# Allegro board 1156197-TDI_VU3P_QSFP28_CXP_V001_1023A-166-20241121_1644_PCB.brd (continued)
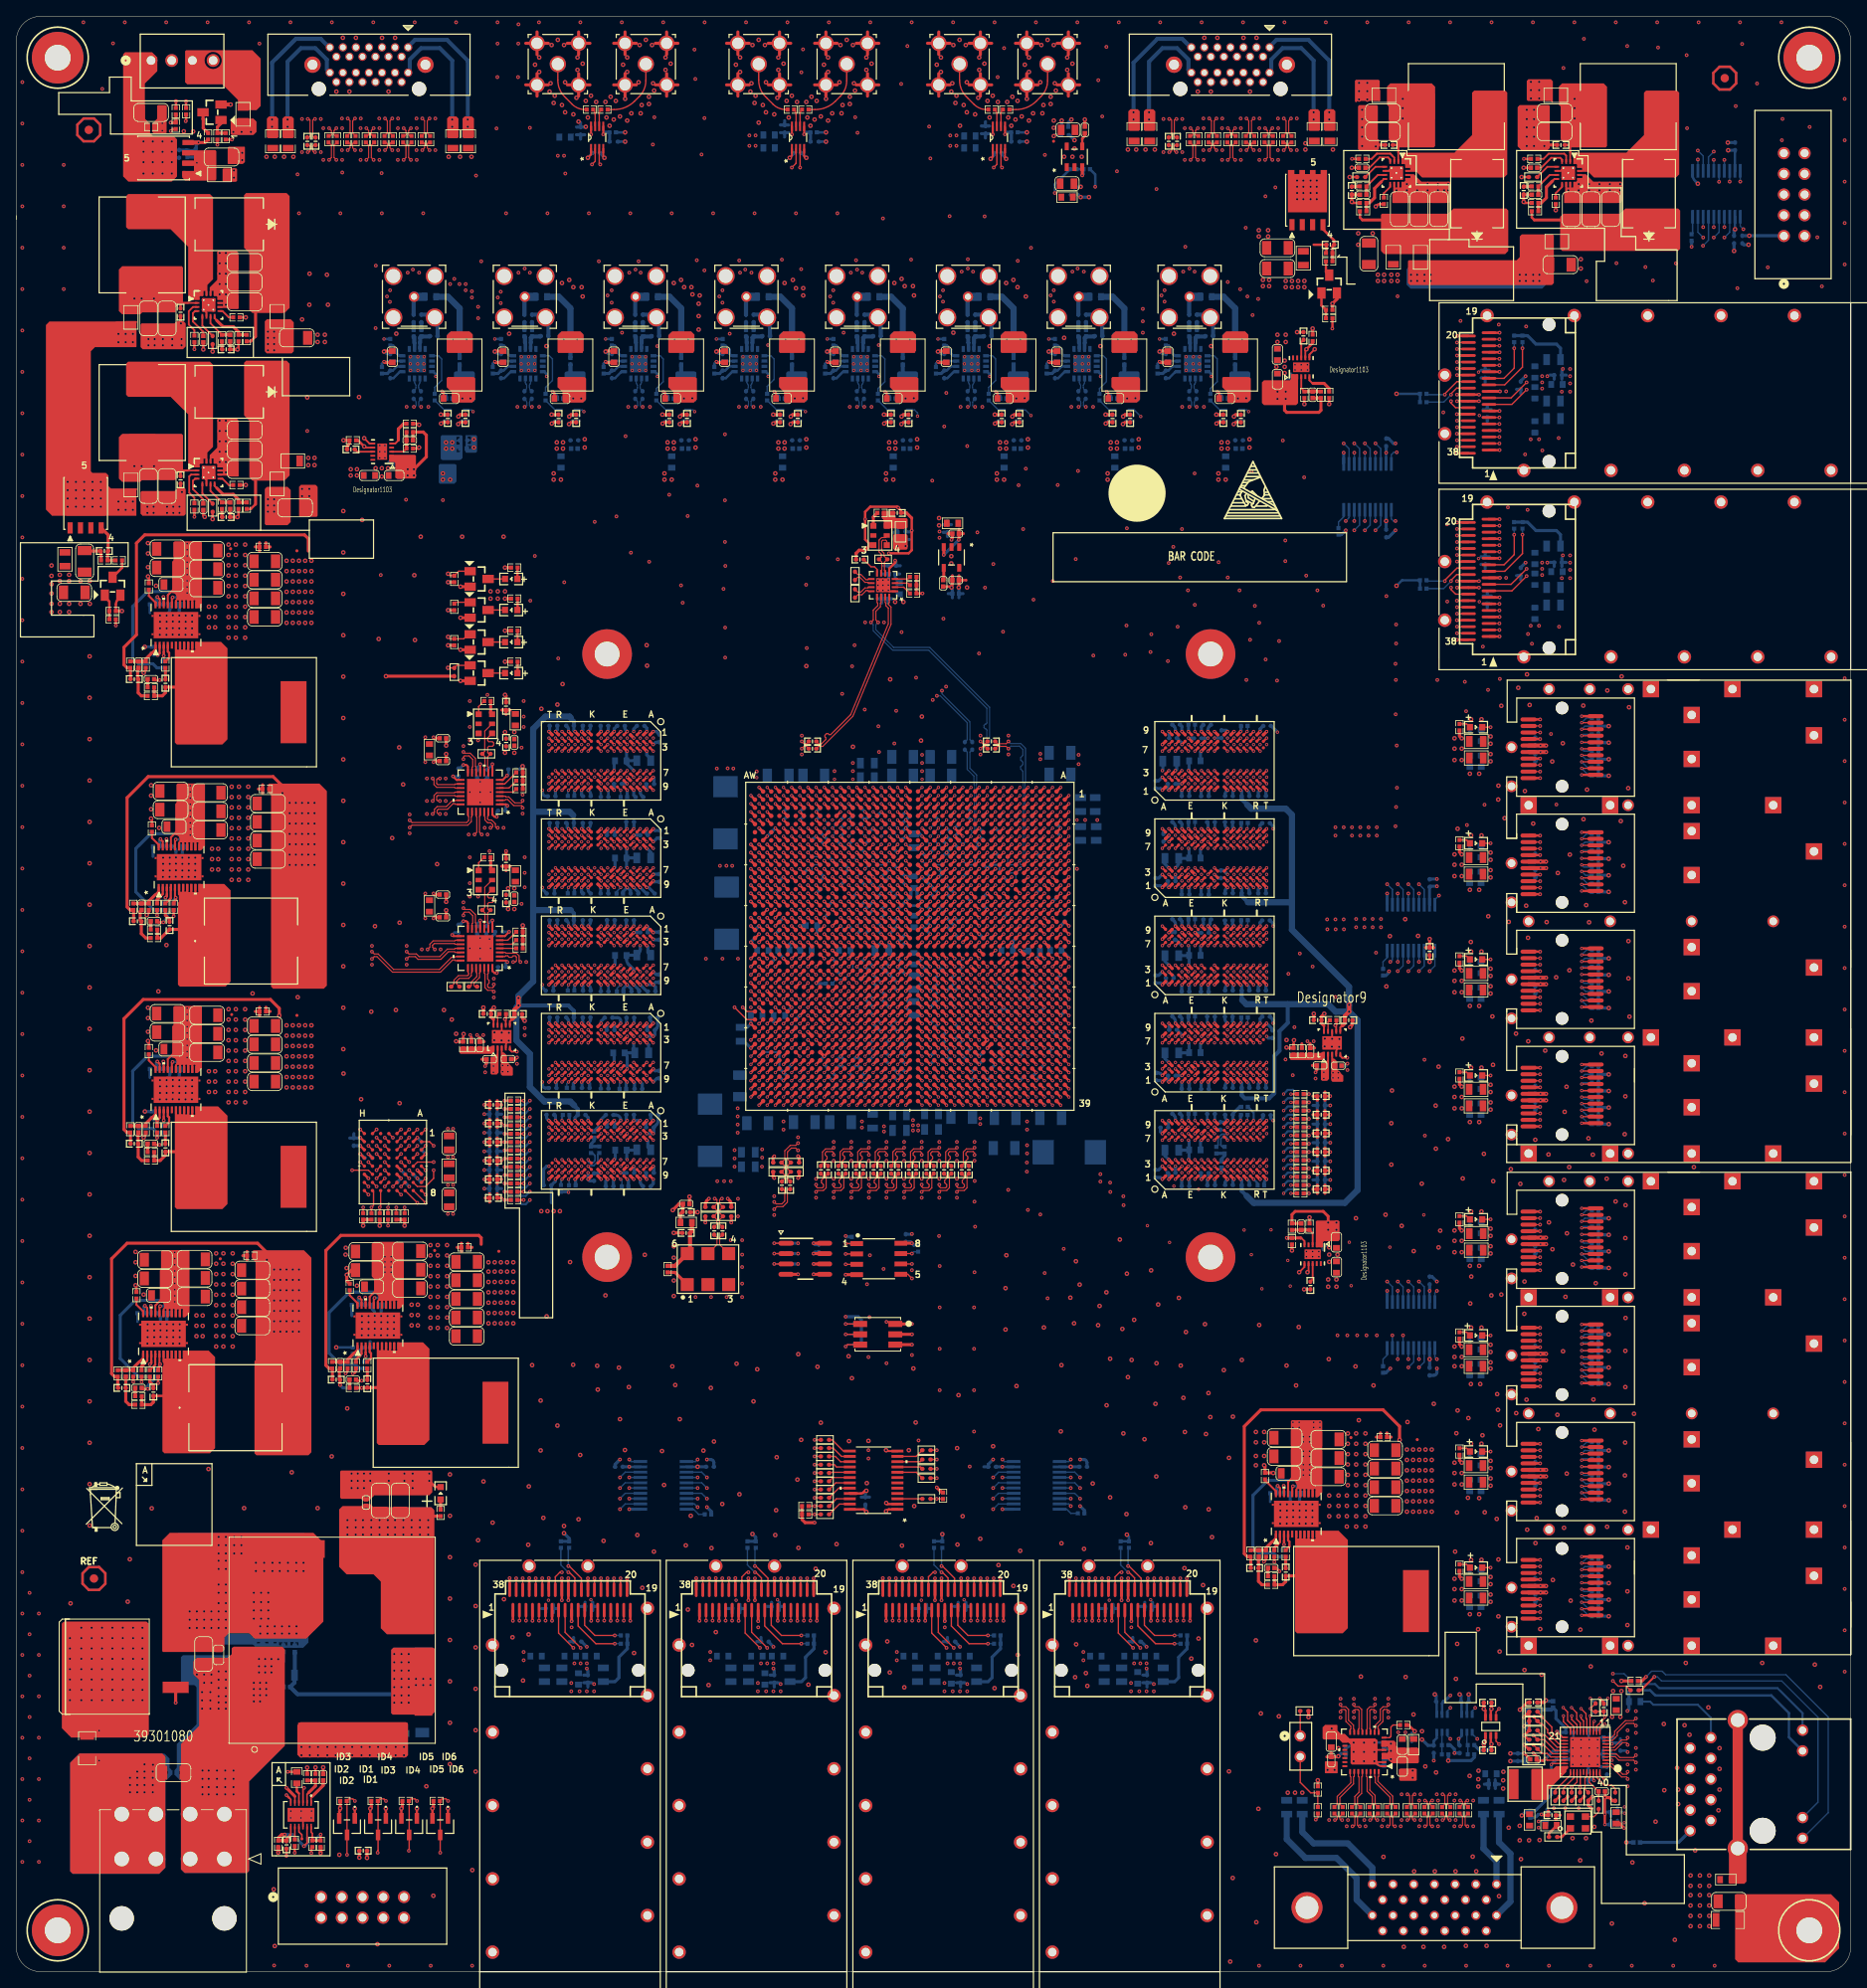
[diagram p0: board, top side]
## Nets (continued)
GND: C1.2(CAP1) C4.2 C5.2 C6.2(CAP1) C7.2(CAP1) C8.2 C9.2 C10.2(CAP1) C11.2(CAP1) C12.2(CAP1) C13.2(CAP1) C14.2(CAP1) C15.2(CAP1) C16.2(CAP1) C17.2(CAP1) C18.2(CAP1) C19.2 C20.2 C21.2(CAP1) C22.2(CAP1) C23.2(CAP1) C24.2 C25.2(CAP1) C26.2(CAP1) C27.2(CAP1) C28.2 C29.2(CAP1) C30.2(CAP1) C31.2(CAP1) C32.2 C33.2 C34.2(CAP1) C35.2(CAP1) C40.2(CAP1) C41.2(CAP1) C42.2 C43.2(CAP1) C44.2 C45.2 C46.2(CAP1) C47.2(CAP1) C48.2(CAP1) C49.2 C50.2 C51.2(CAP1) C52.2(CAP1) C53.2(CAP1) C56.2 C57.2 C58.2(CAP1) C59.2(CAP1) C60.2(CAP1) C61.2 C62.2(CAP1) C63.2(CAP1) C64.2 C65.2 C66.2(CAP1) C67.2 C68.2(CAP1) C69.2(CAP1) C70.2(CAP1) C73.2 C74.2 C75.2(CAP1) C76.2(CAP1) C77.2(CAP1) C106.2 C107.2 C108.2 C109.2 C110.2(CAP1) C111.2(CAP1) C112.2(CAP1) C113.2(CAP1) C114.2(CAP1) C115.2(CAP1) C116.2(CAP1) C117.2(CAP1) C118.2(CAP1) C119.2(CAP1) C120.2(CAP1) C121.2(CAP1) C122.2 C123.2(CAP1) C124.2(CAP1) C125.2(CAP1) C126.2(CAP1) C127.2(CAP1) C128.2(CAP1) C129.2(CAP1) C130.2(CAP1) C131.2(CAP1) C132.2(CAP1) C133.2(CAP1) C134.2(CAP1) C135.2(CAP1) C136.2(CAP1) C137.2 C138.2 C139.2(CAP1) C140.2(CAP1) C141.2(CAP1) C142.2(CAP1) C143.2(CAP1) C144.2(CAP1) C145.2(CAP1) C146.2(CAP1) C147.2(CAP1) C148.2(CAP1) C149.2(CAP1) C150.2(CAP1) C151.2(CAP1) C152.2(CAP1) C153.2(CAP1) C154.2(CAP1) C155.2(CAP1) C156.2(CAP1) C157.2(CAP1) C158.2(CAP1) C159.2(CAP1) C160.2(CAP1) C161.2(CAP1) C162.2(CAP1) C163.2(CAP1) C164.2(CAP1) C165.2(CAP1) C166.2(CAP1) C167.2(CAP1) C168.2(CAP1) C169.1(CAP2) C170.1(CAP2) C171.1(CAP2) C172.1(CAP2) C173.1(CAP2) C174.1(CAP2) C175.1(CAP2) C176.1(CAP2) C177.1(CAP2) C178.1(CAP2) C179.2(CAP1) C180.2(CAP1) C181.2(CAP1) C182.2(CAP1) C183.2(CAP1) C184.2(CAP1) C185.2(CAP1) C186.2(CAP1) C187.2(CAP1) C188.2(CAP1) C189.2(CAP1) C190.2(CAP1) C191.2(CAP1) C192.2(CAP1) C193.2(CAP1) C194.2(CAP1) C195.2(CAP1) C196.2(CAP1) C197.2(CAP1) C198.2(CAP1) C199.2(CAP1) C200.2(CAP1) C201.2(CAP1) C202.2(CAP1) C203.2(CAP1) C204.2(CAP1) C205.2(CAP1) C206.2(CAP1) C207.2(CAP1) C208.2(CAP1) C209.1(CAP2) C210.1(CAP2) C211.1(CAP2) C212.1(CAP2) C213.1(CAP2) C214.1(CAP2) C215.1(CAP2) C216.1(CAP2) C217.1(CAP2) C218.1(CAP2) C219.2 C220.2 C221.2(CAP1) C222.2(CAP1) C223.2(CAP1) C224.2(CAP1) C225.2(CAP1) C226.2(CAP1) C227.2(CAP1) C228.2(CAP1) C229.2 C230.2 C231.2(CAP1) C232.2(CAP1) C233.2(CAP1) C234.2(CAP1) C235.2 C236.2(CAP1) C237.2(CAP1) C238.2 C239.2 C240.2(CAP1) C241.2(CAP1) C242.2(CAP1) C243.2(CAP1) C244.2(CAP1) C245.2(CAP1) C246.2 C247.2 C248.2 C249.2 C250.2(CAP1) C251.2 C252.2 C253.2(CAP1) C254.2(CAP1) C255.2(CAP1) C256.2(CAP1) C257.2(CAP1) C258.2(CAP1) C259.2 C260.2 C261.2 C262.2 C263.2(CAP1) C264.2(CAP1) C265.2(CAP1) C266.2 C267.2 C268.2(CAP1) C269.2(CAP1) C270.2(CAP1) C271.2(CAP1) C272.2(CAP1) C273.2(CAP1) C274.2 C275.2 C276.2 C277.2 C278.2(CAP1) C279.2(CAP1) C280.2(CAP1) C281.2(CAP1) C282.2(CAP1) C283.2(CAP1) C284.2 C285.2 C286.2(CAP1) C287.2(CAP1) C288.2(CAP1) C289.2(CAP1) C290.2(CAP1) C291.2(CAP1) C292.2 C293.2 C294.2 C295.2 C296.2 C297.2 C298.2(CAP1) C299.2(CAP1) C300.2(CAP1) C301.2(CAP1) C302.2(CAP1) C303.2(CAP1) C304.2 C305.2 C306.2 C307.2 C308.2(CAP1) C309.2(CAP1) C310.2(CAP1) C311.2(CAP1) C312.2(CAP1) C313.1(CAP2) C314.2(CAP1) C315.1(CAP2) C316.2(CAP1) C317.2(CAP1) C318.2(CAP1) C319.2(CAP1) C320.2(CAP1) C321.2 C322.2 C323.2 C324.2 C325.2(CAP1) C326.2(CAP1) C327.2(CAP1) C328.2(CAP1) C330.2(CAP1) C331.2(CAP1) C332.2 C333.2 C334.2(CAP1) C335.2(CAP1) C336.2(CAP1) C337.2(CAP1) C338.2(CAP1) C339.2(CAP1) C340.2 C341.2 C342.2 C343.2 C344.2(CAP1) C345.2 C346.2 C347.2(CAP1) C348.2(CAP1) C349.2(CAP1) C350.2(CAP1) C351.2(CAP1) C352.2(CAP1) C353.2 C354.2 C355.2 C356.2 C357.2(CAP1) C358.2(CAP1) C359.2(CAP1) C360.2 C361.2 C362.2(CAP1) C363.2(CAP1) C364.2(CAP1) C365.2(CAP1) C366.2(CAP1) C367.2(CAP1) C368.2 C369.2 C370.2 C371.2 C372.2(CAP1) C373.2(CAP1) C374.2(CAP1) C375.2(CAP1) C376.2(CAP1) C377.2(CAP1) C378.2 C379.2 C380.2(CAP1) C381.2(CAP1) C382.2(CAP1) C383.2(CAP1) C384.2(CAP1) C385.2(CAP1) C386.2 C387.2 C388.2 C389.2 C390.2 C391.2 C392.2(CAP1) C393.2(CAP1) C394.2(CAP1) C395.2(CAP1) C396.2(CAP1) C397.2(CAP1) C398.2 C399.2 C400.2 C401.2 C402.2(CAP1) C403.2(CAP1) C404.2(CAP1) C405.2(CAP1) C406.2(CAP1) C407.1(CAP2) C408.2(CAP1) C409.1(CAP2) C410.2(CAP1) C411.2(CAP1) C412.2(CAP1) C413.2(CAP1) C414.2(CAP1) C415.2 C416.2 C417.2 C418.2 C419.2(CAP1) C420.2(CAP1) C421.2(CAP1) C422.2(CAP1) C424.2(CAP1) C425.2 C426.2(CAP1) C427.2 C428.2(CAP1) C429.2 C430.2(CAP1) C431.2 C432.2 C433.2(CAP1) C434.2 C435.2(CAP1) C436.2(CAP1) C437.2(CAP1) C438.2 C439.2(CAP1) C440.2 C441.2(CAP1) C442.2 C443.2(CAP1) C444.2 C445.2(CAP1) C446.2 C447.2(CAP1) C448.2 C449.2(CAP1) C450.2 C451.2(CAP1) C452.2 C453.2 C454.2(CAP1) C455.2(CAP1) C456.2 C457.2(CAP1) C458.2(CAP1) C459.2 C460.2(CAP1) C461.2(CAP1) C462.2 C463.2(CAP1) C464.2 C465.2(CAP1) C466.2 C467.2(CAP1) C468.2 C469.2(CAP1) C470.2 C471.2(CAP1) C472.2 C473.2(CAP1) C474.2 C475.2(CAP1) C476.2 C477.2(CAP1) C478.2 C479.2(CAP1) C480.2 C481.2(CAP1) C482.2(CAP1) C483.2 C484.2(CAP1) C485.2(CAP1) C486.2 C487.2(CAP1) C488.2 C489.2(CAP1) C490.2 C491.2(CAP1) C492.2 C493.2(CAP1) C494.2 C495.2(CAP1) C496.2 C497.2(CAP1) C498.2 C499.2(CAP1) C500.2(CAP1) C501.2 C502.2(CAP1) C503.2(CAP1) C504.2 C505.2(CAP1) C506.2 C507.2(CAP1) C508.2 C509.2(CAP1) C510.2 C511.2(CAP1) C512.2 C513.2(CAP1) C514.2 C515.2(CAP1) C516.2(CAP1) C517.2 C518.2(CAP1) C519.2(CAP1) C520.2 C521.2(CAP1) C522.2 C523.2(CAP1) C524.2 C525.2(CAP1) C526.2 C527.2(CAP1) C528.2 C529.2(CAP1) C530.1(CAP2) C531.1(CAP2) C532.1(CAP2) C533.1(CAP2) C534.1(CAP2) C535.1(CAP2) C536.1(CAP2) C537.1(CAP2) C538.2(CAP1) C539.1(CAP2) C540.2(CAP1) C541.1(CAP2) C546.1(CAP2) C550.1(CAP2) C552.1(CAP2) C553.1(CAP2) C554.1(CAP2) C555.1(CAP2) C556.1(CAP2) C557.1(CAP2) C558.1(CAP2) C559.1(CAP2) C560.1(CAP2) C561.1(CAP2) C562.1(CAP2) C563.2(CAP1) C564.2(CAP1) C565.1(CAP2) C570.1(CAP2) C574.1(CAP2) C576.1(CAP2) C577.1(CAP2) C578.1(CAP2) C579.1(CAP2) C580.1(CAP2) C581.1(CAP2) C582.1(CAP2) C583.1(CAP2) C584.1(CAP2) C585.2(CAP1) C586.1(CAP2) C587.1(CAP2) C588.1(CAP2) C589.2(CAP1) C594.1(CAP2) C598.1(CAP2) C600.1(CAP2) C601.1(CAP2) C602.1(CAP2) C603.1(CAP2) C604.1(CAP2) C605.1(CAP2) C606.1(CAP2) C607.1(CAP2) C608.1(CAP2) C609.2(CAP1) C610.2(CAP1) C611.1(CAP2) C612.1(CAP2) C613.1(CAP2) C618.1(CAP2) C622.1(CAP2) C624.1(CAP2) C625.1(CAP2) C626.1(CAP2) C627.2(CAP1) C628.2(CAP1) C629.2 C630.2(CAP1) C631.2(CAP1) C632.2(CAP1) C633.2(CAP1) C634.2 C635.2(CAP1) C636.1(CAP2) C637.2 C638.2(CAP1) C639.2 C640.2 C641.2(CAP1) C642.2(CAP1) C643.2 C644.2(CAP1) C645.2(CAP1) C646.2(CAP1) C647.2 C648.2(CAP1) C649.2 C650.2(CAP1) C654.2(CAP1) C655.2(CAP1) C656.2(CAP1) C657.2(CAP1) C658.2(CAP1) C659.2(CAP1) C660.2(CAP1) C661.1(CAP2) C662.2(CAP1) C663.2(CAP1) C664.2(CAP1) C665.2(CAP1) C666.2(CAP1) C667.2(CAP1) C671.2(CAP1) C672.2(CAP1) C673.2(CAP1) C674.2(CAP1) C675.2(CAP1) C676.2(CAP1) C677.1(CAP2) C678.2(CAP1) C679.2(CAP1) C680.2(CAP1) C681.2(CAP1) C682.2(CAP1) C686.2(CAP1) C687.2(CAP1) C688.2(CAP1) C689.2(CAP1) C690.2(CAP1) C691.2(CAP1) C692.1(CAP2) C693.2(CAP1) C694.2(CAP1) C695.2(CAP1) C696.2(CAP1) C697.2(CAP1) C701.2(CAP1) C702.2(CAP1) C703.2(CAP1) C704.2(CAP1) C705.2(CAP1) C706.2(CAP1) C707.1(CAP2) C708.2(CAP1) C709.2(CAP1) C710.2(CAP1) C711.2(CAP1) C712.2(CAP1) C716.2(CAP1) C717.2(CAP1) C718.2(CAP1) C719.2(CAP1) C720.2(CAP1) C721.2(CAP1) C722.1(CAP2) C723.2(CAP1) C724.2(CAP1) C725.2(CAP1) C726.2(CAP1) C727.2(CAP1) C731.2(CAP1) C732.2(CAP1) C733.2(CAP1) C734.2(CAP1) C735.2(CAP1) C736.2(CAP1) C737.1(CAP2) C738.2(CAP1) C739.2(CAP1) C740.2(CAP1) C741.2(CAP1) C742.2(CAP1) C743.2 C744.2 C746.2 C747.2 C748.2 C749.2 C751.2 C752.2 C753.2(CAP1) C754.2(CAP1) C755.2 C756.2 C758.2 C759.2 C760.2(CAP1) C761.2(CAP1) C762.2 C763.2 C764.2 C765.1(CAP2) C766.2 C767.2 C768.2(CAP1) C769.2(CAP1) C770.2 C771.2 C772.2(CAP1) C773.2(CAP1) C774.2(CAP1) C775.2(CAP1) C776.2 C777.2 C778.2(CAP1) C779.2(CAP1) C780.2(CAP1) C781.2(CAP1) C782.2 C783.2 C784.1(CAP2) C785.2(CAP1) C786.2(CAP1) C795.2 C796.2 C797.1(CAP2) C799.2 C807.2 C808.2 C809.2 C810.2(CAP1) C811.2 C812.2 C813.2 C814.2 C815.1(CAP2) C816.2(CAP1) C817.2(CAP1) C818.2 C819.2 C820.2 C821.2 C822.2 C823.2 C824.2 C825.2(CAP1) C826.1(CAP2) C827.2(CAP1) C828.2(CAP1) C829.2 C830.2 C831.2 C832.2 C833.2 C834.2 C835.2(CAP1) C836.2 C837.1(CAP2) C838.2(CAP1) C839.2(CAP1) C840.2 C841.2 C842.2 C843.2 C844.2 C845.2 C846.2 C847.2(CAP1) C848.1(CAP2) C849.2(CAP1) C850.2(CAP1) C851.2(CAP1) C852.2(CAP1) C853.2 C854.2 C855.2 C856.2(CAP1) C857.1(CAP2) C858.2(CAP1) C859.2(CAP1) C860.2 C861.2 C862.2 C863.2(CAP1) C864.2(CAP1) C865.2(CAP1) C866.1(CAP2) C867.1(CAP2) C868.2(CAP1) C869.2(CAP1) C870.2 C871.2 C872.2 C873.2(CAP1) C874.2(CAP1) C875.2(CAP1) C876.1(CAP2) C877.1(CAP2) C878.2(CAP1) C883.2(CAP1) C884.2(CAP1) C885.2(CAP1) C886.2(CAP1) C887.2(CAP1) C888.2(CAP1) C889.1(CAP2) C890.2(CAP1) C891.2(CAP1) C892.2(CAP1) C893.1(CAP2) C894.1(CAP2) C895.1(CAP2) C896.1(CAP2) C897.2 C898.2(CAP1) C901.2(CAP1) C902.2(CAP1) C905.2(CAP1) C906.2(CAP1) C907.2(CAP1) C909.2(CAP1) C910.2(CAP1) C911.2(CAP1) C912.2(CAP1) C913.2(CAP1) C914.2(CAP1) C915.2(CAP1) C916.2(CAP1) C917.2(CAP1) C918.2(CAP1) C919.1(CAP2) C920.2(CAP1) C922.2(CAP1) C923.1(CAP2) D1.1 D2.1 D3.1 D4.1 DS13.2 J1.2 J1.10 J2.9 J2.10 J4.1 J4.2 J4.3 J5.1(GND1) J5.4(GND2) J5.7(GND3) J5.13(GND4) J5.16(GND5) J5.19(GND6) J5.20(GND7) J5.23(GND8) J5.26(GND9) J5.32(GND10) J5.35(GND11) J5.38(GND12) J6.1(MH1) J6.2(MH2) J6.3(MH3) J6.4(MH4) J6.5(MH5) J6.6(MH6) J6.7(MH7) J6.8(MH8) J6.9(MH9) J6.10(MH10) J6.11(MH11) J6.12(MH12) J7.1(GND1) J7.4(GND2) J7.7(GND3) J7.13(GND4) J7.16(GND5) J7.19(GND6) J7.20(GND7) J7.23(GND8) J7.26(GND9) J7.32(GND10) J7.35(GND11) J7.38(GND12) J8.1(MH1) J8.2(MH2) J8.3(MH3) J8.4(MH4) J8.5(MH5) J8.6(MH6) J8.7(MH7) J8.8(MH8) J8.9(MH9) J8.10(MH10) J8.11(MH11) J8.12(MH12) J9.1(GND1) J9.4(GND2) J9.7(GND3) J9.13(GND4) J9.16(GND5) J9.19(GND6) J9.20(GND7) J9.23(GND8) J9.26(GND9) J9.32(GND10) J9.35(GND11) J9.38(GND12) J10.1(MH1) J10.2(MH2) J10.3(MH3) J10.4(MH4) J10.5(MH5) J10.6(MH6) J10.7(MH7) J10.8(MH8) J10.9(MH9) J10.10(MH10) J10.11(MH11) J10.12(MH12) J11.1(GND1) J11.4(GND2) J11.7(GND3) J11.13(GND4) J11.16(GND5) J11.19(GND6) J11.20(GND7) J11.23(GND8) J11.26(GND9) J11.32(GND10) J11.35(GND11) J11.38(GND12) J12.1(MH1) J12.2(MH2) J12.3(MH3) J12.4(MH4) J12.5(MH5) J12.6(MH6) J12.7(MH7) J12.8(MH8) J12.9(MH9) J12.10(MH10) J12.11(MH11) J12.12(MH12) J13.1(GND1) J13.4(GND2) J13.7(GND3) J13.13(GND4) J13.16(GND5) J13.19(GND6) J13.20(GND7) J13.23(GND8) J13.26(GND9) J13.32(GND10) J13.35(GND11) J13.38(GND12) J14.1(MH1) J14.2(MH2) J14.3(MH3) J14.4(MH4) J14.5(MH5) J14.6(MH6) J14.7(MH7) J14.8(MH8) J14.9(MH9) J14.10(MH10) J14.11(MH11) J14.12(MH12) J15.1(GND1) J15.4(GND2) J15.7(GND3) J15.13(GND4) J15.16(GND5) J15.19(GND6) J15.20(GND7) J15.23(GND8) J15.26(GND9) J15.32(GND10) J15.35(GND11) J15.38(GND12) J16.1(MH1) J16.2(MH2) J16.3(MH3) J16.4(MH4) J16.5(MH5) J16.6(MH6) J16.7(MH7) J16.8(MH8) J16.9(MH9) J16.10(MH10) J16.11(MH11) J16.12(MH12) J17.2 J17.4 J17.5 J18.2 J18.4 J18.5 J19.2 J19.4 J19.5 J20.2 J20.4 J20.5 J21.2 J21.4 J21.5 J22.2 J22.4 J22.5 J23.2 J23.4 J23.5 J24.2 J24.4 J24.5 J29.2(GND1) J29.3(GND2) J29.4(GND3) J29.5(GND4) J30.2(GND1) J30.3(GND2) J30.4(GND3) J30.5(GND4) J31.2(GND1) J31.3(GND2) J31.4(GND3) J31.5(GND4) J32.2(GND1) J32.3(GND2) J32.4(GND3) J32.5(GND4) J33.2(GND1) J33.3(GND2) J33.4(GND3) J33.5(GND4) J34.2(GND1) J34.3(GND2) J34.4(GND3) J34.5(GND4) L2.1 L67.1 L68.1 L116.2 P1.1(SHIELD1) P1.2(SHIELD2) P1.3(SHIELD3) P1.4(SHIELD4) P1.5(SHIELD5) P1.6(SHIELD6) P1.7(SHIELD7) P1.8(SHIELD8) P1.9(SHIELD9) P1.10(SHIELD10) P1.11(SHIELD11) P1.12(SHIELD12) P1.13(SHIELD13) P1.14(SHIELD14) P1.15(SHIELD15) P1.16(SHIELD16) P1.17(SHIELD17) P1.18(SHIELD18) P1.19(SHIELD19) P1.20(SHIELD20) P1.21(SHIELD21) P1.22(SHIELD22) P1.23(SHIELD23) P1.24(SHIELD24) P1.25(SHIELD25) P1.26(SHIELD26) P1.27(SHIELD27) P1.28(SHIELD28) P1.29(SHIELD29) P1.30(SHIELD30) P1.31(SHIELD31) P1.32(SHIELD32) P1.33(SHIELD33) P1.34(SHIELD34) P1.35(SHIELD35) P1.36(SHIELD36) P1.37(SHIELD37) P1.38(SHIELD38) P1.39(SHIELD39) P1.40(SHIELD40) P1.41(SHIELD41) P1.42(SHIELD42) P1.43(SHIELD43) P1.44(SHIELD44) P1.45(SHIELD45) P1.46(SHIELD46) P1.A1(A_VEET_1) P1.A10(A_VEER_1) P1.A11(A_VEER_2) P1.A14(A_VEER_3) P1.A17(A_VEET_2) P1.A20(A_VEET_3) P1.B1(B_VEET_1) P1.B10(B_VEER_1) P1.B11(B_VEER_2) P1.B14(B_VEER_3) P1.B17(B_VEET_2) P1.B20(B_VEET_3) P1.C1(C_VEET_1) P1.C10(C_VEER_1) P1.C11(C_VEER_2) P1.C14(C_VEER_3) P1.C17(C_VEET_2) P1.C20(C_VEET_3) P1.D1(D_VEET_1) P1.D10(D_VEER_1) P1.D11(D_VEER_2) P1.D14(D_VEER_3) P1.D17(D_VEET_2) P1.D20(D_VEET_3) P2.1(SHIELD1) P2.2(SHIELD2) P2.3(SHIELD3) P2.4(SHIELD4) P2.5(SHIELD5) P2.6(SHIELD6) P2.7(SHIELD7) P2.8(SHIELD8) P2.9(SHIELD9) P2.10(SHIELD10) P2.11(SHIELD11) P2.12(SHIELD12) P2.13(SHIELD13) P2.14(SHIELD14) P2.15(SHIELD15) P2.16(SHIELD16) P2.17(SHIELD17) P2.18(SHIELD18) P2.19(SHIELD19) P2.20(SHIELD20) P2.21(SHIELD21) P2.22(SHIELD22) P2.23(SHIELD23) P2.24(SHIELD24) P2.25(SHIELD25) P2.26(SHIELD26) P2.27(SHIELD27) P2.28(SHIELD28) P2.29(SHIELD29) P2.30(SHIELD30) P2.31(SHIELD31) P2.32(SHIELD32) P2.33(SHIELD33) P2.34(SHIELD34) P2.35(SHIELD35) P2.36(SHIELD36) P2.37(SHIELD37) P2.38(SHIELD38) P2.39(SHIELD39) P2.40(SHIELD40) P2.41(SHIELD41) P2.42(SHIELD42) P2.43(SHIELD43) P2.44(SHIELD44) P2.45(SHIELD45) P2.46(SHIELD46) P2.A1(A_VEET_1) P2.A10(A_VEER_1) P2.A11(A_VEER_2) P2.A14(A_VEER_3) P2.A17(A_VEET_2) P2.A20(A_VEET_3) P2.B1(B_VEET_1) P2.B10(B_VEER_1) P2.B11(B_VEER_2) P2.B14(B_VEER_3) P2.B17(B_VEET_2) P2.B20(B_VEET_3) P2.C1(C_VEET_1) P2.C10(C_VEER_1) P2.C11(C_VEER_2) P2.C14(C_VEER_3) P2.C17(C_VEET_2) P2.C20(C_VEET_3) P2.D1(D_VEET_1) P2.D10(D_VEER_1) P2.D11(D_VEER_2) P2.D14(D_VEER_3) P2.D17(D_VEET_2) P2.D20(D_VEET_3) Q1.2(SOURCE) Q2.2(SOURCE) Q3.2(SOURCE) Q4.2(SOURCE) Q7.2(SOURCE) Q9.2(SOURCE) Q11.2(SOURCE) R6.2 R9.2 R12.2 R14.2 R16.2 R21.2 R30.2 R31.1 R33.2 R35.2 R36.1 R37.2 R40.2 R41.2 R42.1 R44.1 R46.1 R48.1 R58.1 R59.1 R60.2 R61.2 R62.1 R63.1 R67.1 R68.1 R69.2 R70.1 R71.2 R72.2 R73.1 R74.1 R78.1 R79.1 R80.2 R81.1 R84.2 R85.1 R86.2 R87.1 R88.2 R89.2 R90.1 R91.1 R94.1 R111.1 R121.2 R123.1 R127.2 R128.1 R129.2 R130.1 R131.2 R132.2 R133.1 R134.1 R137.1 R155.1 R164.2 R166.1 R316.2 R317.2 R319.1 R321.1 R323.1 R325.2 R327.2 R331.2 R333.2 R335.1 R337.1 R338.1 R339.2 R343.1 R346.1 R347.1 R349.1 R350.1 R351.2 R355.1 R357.1 R359.1 R360.1 R361.2 R365.1 R366.1 R369.1 R373.1 R374.1 R375.2 R380.2 R384.1 R386.1 R387.1 R388.2 R392.1 R393.1 R396.1 R398.1 R399.1 R400.2 R404.1 R412.1 R414.2 R415.2 R416.2 R417.1 R420.1 R421.2 R422.1 R423.1 R426.1 R428.1 R442.1 R443.2 R444.1 R449.1 R450.2 R451.1 R456.1 R457.2 R458.1 R463.1 R464.2 R465.1 R468.1 R469.1 R470.1 R475.1 R479.1 R480.1 R482.1 R484.1 R485.1 R516.1 R517.1 R519.1 R520.1 R544.1 R545.1 R546.1 R547.1 R550.2 R554.2 R558.2 R560.1 R561.1 R580.1 R581.1 R582.1 R583.2 R588.1 R595.1 R599.1 R600.2 R602.2 TP48.1(PIN1) TP50.1(PIN1) TP52.1(PIN1) TP54.1(PIN1) TP57.1(PIN1) U1.A2(GND1) U1.A3(GND3) U1.A4(GND10) U1.A5(GND11) U1.A8(GND12) U1.A11(GND0) U1.A21(GND2) U1.A31(GND4) U1.A32(GND5) U1.A35(GND6) U1.A36(GND7) U1.A37(GND8) U1.A38(GND9) U1.AA3(GND23) U1.AA5(GND28) U1.AA8(GND29) U1.AA10(GND13) U1.AA11(GND14) U1.AA13(GND15) U1.AA15(VN) U1.AA17(GND16) U1.AA19(GND17) U1.AA21(GND18) U1.AA23(GND19) U1.AA25(GND20) U1.AA27(GND21) U1.AA29(GND22) U1.AA31(GND24) U1.AA32(GND25) U1.AA35(GND26) U1.AA37(GND27) U1.AB1(GND30) U1.AB2(GND34) U1.AB3(GND40) U1.AB6(GND47) U1.AB12(GND31) U1.AB14(GND32) U1.AB15(DXN) U1.AB16(DXP) U1.AB18(GND33) U1.AB20(GND35) U1.AB22(GND36) U1.AB24(GND37) U1.AB26(GND38) U1.AB28(GND39) U1.AB30(GND41) U1.AB32(GND42) U1.AB34(GND43) U1.AB37(GND44) U1.AB38(GND45) U1.AB39(GND46) U1.AC3(GND58) U1.AC4(GND63) U1.AC11(GND48) U1.AC13(GND49) U1.AC15(GND50) U1.AC17(GND51) U1.AC19(GND52) U1.AC21(GND53) U1.AC23(GND54) U1.AC25(GND55) U1.AC27(GND56) U1.AC29(GND57) U1.AC31(GND59) U1.AC32(GND60) U1.AC36(GND61) U1.AC37(GND62) U1.AD1(GND64) U1.AD2(GND69) U1.AD3(GND75) U1.AD6(GND82) U1.AD12(GND65) U1.AD14(GND66) U1.AD16(GND67) U1.AD18(GND68) U1.AD20(GND70) U1.AD22(GND71) U1.AD24(GND72) U1.AD26(GND73) U1.AD28(GND74) U1.AD30(GND76) U1.AD32(GND77) U1.AD34(GND78) U1.AD37(GND79) U1.AD38(GND80) U1.AD39(GND81) U1.AE3(GND93) U1.AE4(GND98) U1.AE9(GND99) U1.AE11(GND83) U1.AE13(GND84) U1.AE15(GND85) U1.AE17(GND86) U1.AE19(GND87) U1.AE21(GND88) U1.AE23(GND89) U1.AE25(GND90) U1.AE27(GND91) U1.AE29(GND92) U1.AE31(GND94) U1.AE32(GND95) U1.AE36(GND96) U1.AE37(GND97) U1.AF1(GND100) U1.AF2(GND102) U1.AF3(GND104) U1.AF6(GND110) U1.AF14(GND101) U1.AF24(GND103) U1.AF32(GND105) U1.AF34(GND106) U1.AF37(GND107) U1.AF38(GND108) U1.AF39(GND109) U1.AG3(GND113) U1.AG4(GND118) U1.AG8(GND119) U1.AG11(GND111) U1.AG21(GND112) U1.AG31(GND114) U1.AG32(GND115) U1.AG36(GND116) U1.AG37(GND117) U1.AH1(GND120) U1.AH2(GND122) U1.AH3(GND124) U1.AH6(GND130) U1.AH8(GND131) U1.AH18(GND121) U1.AH28(GND123) U1.AH32(GND125) U1.AH34(GND126) U1.AH37(GND127) U1.AH38(GND128) U1.AH39(GND129) U1.AJ3(GND134) U1.AJ4(GND138) U1.AJ8(GND139) U1.AJ15(GND132) U1.AJ25(GND133) U1.AJ32(GND135) U1.AJ36(GND136) U1.AJ37(GND137) U1.AK1(GND140) U1.AK2(GND142) U1.AK3(GND144) U1.AK7(GND150) U1.AK8(GND151) U1.AK12(GND141) U1.AK22(GND143) U1.AK32(GND145) U1.AK33(GND146) U1.AK37(GND147) U1.AK38(GND148) U1.AK39(GND149) U1.AL3(GND154) U1.AL4(GND159) U1.AL6(GND160) U1.AL7(GND161) U1.AL9(GND162) U1.AL19(GND152) U1.AL29(GND153) U1.AL33(GND155) U1.AL34(GND156) U1.AL36(GND157) U1.AL37(GND158) U1.AM1(GND163) U1.AM2(GND165) U1.AM3(GND167) U1.AM6(GND172) U1.AM16(GND164) U1.AM26(GND166) U1.AM34(GND168) U1.AM37(GND169) U1.AM38(GND170) U1.AM39(GND171) U1.AN3(GND175) U1.AN4(GND179) U1.AN6(GND180) U1.AN13(GND173) U1.AN23(GND174) U1.AN34(GND176) U1.AN36(GND177) U1.AN37(GND178) U1.AP1(GND181) U1.AP2(GND183) U1.AP3(GND185) U1.AP6(GND191) U1.AP10(GND182) U1.AP20(GND184) U1.AP30(GND186) U1.AP34(GND187) U1.AP37(GND188) U1.AP38(GND189) U1.AP39(GND190) U1.AR3(GND194) U1.AR4(GND199) U1.AR6(GND200) U1.AR7(GND201) U1.AR17(GND192) U1.AR27(GND193) U1.AR33(GND195) U1.AR34(GND196) U1.AR36(GND197) U1.AR37(GND198) U1.AT1(GND202) U1.AT2(GND204) U1.AT3(GND206) U1.AT7(GND212) U1.AT8(GND213) U1.AT14(GND203) U1.AT24(GND205) U1.AT32(GND207) U1.AT33(GND208) U1.AT37(GND209) U1.AT38(GND210) U1.AT39(GND211) U1.AU3(GND216) U1.AU4(GND222) U1.AU5(GND223) U1.AU8(GND224) U1.AU11(GND214) U1.AU21(GND215) U1.AU31(GND217) U1.AU32(GND218) U1.AU35(GND219) U1.AU36(GND220) U1.AU37(GND221) U1.AV1(GND225) U1.AV2(GND227) U1.AV5(GND233) U1.AV8(GND234) U1.AV18(GND226) U1.AV28(GND228) U1.AV32(GND229) U1.AV35(GND230) U1.AV38(GND231) U1.AV39(GND232) U1.AW2(GND236) U1.AW3(GND238) U1.AW4(GND244) U1.AW5(GND245) U1.AW8(GND246) U1.AW15(GND235) U1.AW25(GND237) U1.AW32(GND239) U1.AW35(GND240) U1.AW36(GND241) U1.AW37(GND242) U1.AW38(GND243) U1.B1(GND247) U1.B2(GND249) U1.B5(GND256) U1.B6(GND257) U1.B8(GND258) U1.B18(GND248) U1.B28(GND250) U1.B32(GND251) U1.B34(GND252) U1.B35(GND253) U1.B38(GND254) U1.B39(GND255) U1.C3(GND261) U1.C4(GND266) U1.C5(GND267) U1.C8(GND268) U1.C15(GND259) U1.C25(GND260) U1.C32(GND262) U1.C35(GND263) U1.C36(GND264) U1.C37(GND265) U1.D1(GND269) U1.D2(GND271) U1.D3(GND273) U1.D7(GND279) U1.D8(GND280) U1.D12(GND270) U1.D22(GND272) U1.D32(GND274) U1.D33(GND275) U1.D37(GND276) U1.D38(GND277) U1.D39(GND278) U1.E3(GND283) U1.E4(GND288) U1.E6(GND289) U1.E7(GND290) U1.E9(GND291) U1.E19(GND281) U1.E29(GND282) U1.E33(GND284) U1.E34(GND285) U1.E36(GND286) U1.E37(GND287) U1.F1(GND292) U1.F2(GND294) U1.F3(GND296) U1.F6(GND301) U1.F16(GND293) U1.F26(GND295) U1.F34(GND297) U1.F37(GND298) U1.F38(GND299) U1.F39(GND300) U1.G3(GND304) U1.G4(GND309) U1.G6(GND310) U1.G13(GND302) U1.G23(GND303) U1.G33(GND305) U1.G34(GND306) U1.G36(GND307) U1.G37(GND308) U1.H1(GND311) U1.H2(GND313) U1.H3(GND315) U1.H6(GND321) U1.H10(GND312) U1.H20(GND314) U1.H30(GND316) U1.H34(GND317) U1.H37(GND318) U1.H38(GND319) U1.H39(GND320) U1.J3(GND324) U1.J4(GND329) U1.J6(GND330) U1.J7(GND331) U1.J17(GND322) U1.J27(GND323) U1.J33(GND325) U1.J34(GND326) U1.J36(GND327) U1.J37(GND328) U1.K1(GND332) U1.K2(GND334) U1.K3(GND336) U1.K7(GND342) U1.K8(GND343) U1.K14(GND333) U1.K24(GND335) U1.K32(GND337) U1.K33(GND338) U1.K37(GND339) U1.K38(GND340) U1.K39(GND341) U1.L3(GND346) U1.L4(GND351) U1.L8(GND352) U1.L11(GND344) U1.L21(GND345) U1.L31(GND347) U1.L32(GND348) U1.L36(GND349) U1.L37(GND350) U1.M1(GND353) U1.M2(GND355) U1.M3(GND357) U1.M6(GND363) U1.M8(GND364) U1.M18(GND354) U1.M28(GND356) U1.M32(GND358) U1.M34(GND359) U1.M37(GND360) U1.M38(GND361) U1.M39(GND362) U1.N3(GND367) U1.N4(GND371) U1.N8(GND372) U1.N15(GND365) U1.N25(GND366) U1.N32(GND368) U1.N36(GND369) U1.N37(GND370) U1.P1(GND373) U1.P2(GND375) U1.P3(GND377) U1.P6(GND383) U1.P12(GND374) U1.P22(GND376) U1.P32(GND378) U1.P34(GND379) U1.P37(GND380) U1.P38(GND381) U1.P39(GND382) U1.R3(GND394) U1.R4(GND399) U1.R8(RSVDGND) U1.R9(GND400) U1.R11(GND384) U1.R13(GND385) U1.R15(GND386) U1.R17(GND387) U1.R19(GND388) U1.R21(GND389) U1.R23(GND390) U1.R25(GND391) U1.R27(GND392) U1.R29(GND393) U1.R31(GND395) U1.R32(GND396) U1.R36(GND397) U1.R37(GND398) U1.T1(GND401) U1.T2(GND406) U1.T3(GND412) U1.T6(GND419) U1.T8(GND420) U1.T12(GND402) U1.T14(GND403) U1.T16(GND404) U1.T18(GND405) U1.T20(GND407) U1.T22(GND408) U1.T24(GND409) U1.T26(GND410) U1.T28(GND411) U1.T30(GND413) U1.T32(GND414) U1.T34(GND415) U1.T37(GND416) U1.T38(GND417) U1.T39(GND418) U1.U3(GND431) U1.U4(GND436) U1.U11(GND421) U1.U13(GND422) U1.U15(GND423) U1.U17(GND424) U1.U19(GND425) U1.U21(GND426) U1.U23(GND427) U1.U25(GND428) U1.U27(GND429) U1.U29(GND430) U1.U31(GND432) U1.U32(GND433) U1.U36(GND434) U1.U37(GND435) U1.V1(GND437) U1.V2(GND442) U1.V3(GND448) U1.V6(GND455) U1.V12(GND438) U1.V14(GND439) U1.V16(GND440) U1.V18(GND441) U1.V20(GND443) U1.V22(GND444) U1.V24(GND445) U1.V26(GND446) U1.V28(GND447) U1.V30(GND449) U1.V32(GND450) U1.V34(GND451) U1.V37(GND452) U1.V38(GND453) U1.V39(GND454) U1.W3(GND466) U1.W5(GND471) U1.W8(GND472) U1.W10(GND456) U1.W11(GND457) U1.W13(GND458) U1.W17(GND459) U1.W19(GND460) U1.W21(GND461) U1.W23(GND462) U1.W25(GND463) U1.W27(GND464) U1.W29(GND465) U1.W31(GND467) U1.W32(GND468) U1.W35(GND469) U1.W37(GND470) U1.Y1(GND473) U1.Y2(GND477) U1.Y3(GND483) U1.Y4(GND491) U1.Y6(GND492) U1.Y12(GND474) U1.Y14(GND475) U1.Y16(VP) U1.Y18(GND476) U1.Y20(GND478) U1.Y22(GND479) U1.Y24(GND480) U1.Y26(GND481) U1.Y28(GND482) U1.Y30(GND484) U1.Y32(GND485) U1.Y34(GND486) U1.Y36(GND487) U1.Y37(GND488) U1.Y38(GND489) U1.Y39(GND490) U2.4(GND) U3.B2(VSS0) U3.H2(VSS1) U3.H4(VSS2) U3.H6(VSS3) U4.11(GND) U5.3(GND) U6.4(GND) U6.5(A2) U6.6(A1) U6.7(A0) U7.A2(VSSQ1) U7.A8(VSSQ2) U7.B2(VSS1) U7.C9(VSSQ3) U7.D2(VSSQ4) U7.D8(VSSQ5) U7.E1(VSS2) U7.E3(VSSQ6) U7.E8(VSSQ7) U7.E9(VSS3) U7.F1(VSSQ8) U7.G8(VSS4) U7.H1(VSSQ9) U7.H9(VSSQ10) U7.K1(VSS5) U7.K9(VSS6) U7.M9(VSS7) U7.N1(VSS8) U7.T1(VSS9) U8.A2(VSSQ1) U8.A8(VSSQ2) U8.B2(VSS1) U8.C9(VSSQ3) U8.D2(VSSQ4) U8.D8(VSSQ5) U8.E1(VSS2) U8.E3(VSSQ6) U8.E8(VSSQ7) U8.E9(VSS3) U8.F1(VSSQ8) U8.G8(VSS4) U8.H1(VSSQ9) U8.H9(VSSQ10) U8.K1(VSS5) U8.K9(VSS6) U8.M9(VSS7) U8.N1(VSS8) U8.T1(VSS9) U9.A2(VSSQ1) U9.A8(VSSQ2) U9.B2(VSS1) U9.C9(VSSQ3) U9.D2(VSSQ4) U9.D8(VSSQ5) U9.E1(VSS2) U9.E3(VSSQ6) U9.E8(VSSQ7) U9.E9(VSS3) U9.F1(VSSQ8) U9.G8(VSS4) U9.H1(VSSQ9) U9.H9(VSSQ10) U9.K1(VSS5) U9.K9(VSS6) U9.M9(VSS7) U9.N1(VSS8) U9.T1(VSS9) U10.A2(VSSQ1) U10.A8(VSSQ2) U10.B2(VSS1) U10.C9(VSSQ3) U10.D2(VSSQ4) U10.D8(VSSQ5) U10.E1(VSS2) U10.E3(VSSQ6) U10.E8(VSSQ7) U10.E9(VSS3) U10.F1(VSSQ8) U10.G8(VSS4) U10.H1(VSSQ9) U10.H9(VSSQ10) U10.K1(VSS5) U10.K9(VSS6) U10.M9(VSS7) U10.N1(VSS8) U10.T1(VSS9) U11.A2(VSSQ1) U11.A8(VSSQ2) U11.B2(VSS1) U11.C9(VSSQ3) U11.D2(VSSQ4) U11.D8(VSSQ5) U11.E1(VSS2) U11.E3(VSSQ6) U11.E8(VSSQ7) U11.E9(VSS3) U11.F1(VSSQ8) U11.G8(VSS4) U11.H1(VSSQ9) U11.H9(VSSQ10) U11.K1(VSS5) U11.K9(VSS6) U11.M9(VSS7) U11.N1(VSS8) U11.T1(VSS9) U12.4(PGND) U12.8(GND) U12.11(THERMAL) U13.A2(VSSQ1) U13.A8(VSSQ2) U13.B2(VSS1) U13.C9(VSSQ3) U13.D2(VSSQ4) U13.D8(VSSQ5) U13.E1(VSS2) U13.E3(VSSQ6) U13.E8(VSSQ7) U13.E9(VSS3) U13.F1(VSSQ8) U13.G8(VSS4) U13.H1(VSSQ9) U13.H9(VSSQ10) U13.K1(VSS5) U13.K9(VSS6) U13.M9(VSS7) U13.N1(VSS8) U13.T1(VSS9) U14.A2(VSSQ1) U14.A8(VSSQ2) U14.B2(VSS1) U14.C9(VSSQ3) U14.D2(VSSQ4) U14.D8(VSSQ5) U14.E1(VSS2) U14.E3(VSSQ6) U14.E8(VSSQ7) U14.E9(VSS3) U14.F1(VSSQ8) U14.G8(VSS4) U14.H1(VSSQ9) U14.H9(VSSQ10) U14.K1(VSS5) U14.K9(VSS6) U14.M9(VSS7) U14.N1(VSS8) U14.T1(VSS9) U15.A2(VSSQ1) U15.A8(VSSQ2) U15.B2(VSS1) U15.C9(VSSQ3) U15.D2(VSSQ4) U15.D8(VSSQ5) U15.E1(VSS2) U15.E3(VSSQ6) U15.E8(VSSQ7) U15.E9(VSS3) U15.F1(VSSQ8) U15.G8(VSS4) U15.H1(VSSQ9) U15.H9(VSSQ10) U15.K1(VSS5) U15.K9(VSS6) U15.M9(VSS7) U15.N1(VSS8) U15.T1(VSS9) U16.A2(VSSQ1) U16.A8(VSSQ2) U16.B2(VSS1) U16.C9(VSSQ3) U16.D2(VSSQ4) U16.D8(VSSQ5) U16.E1(VSS2) U16.E3(VSSQ6) U16.E8(VSSQ7) U16.E9(VSS3) U16.F1(VSSQ8) U16.G8(VSS4) U16.H1(VSSQ9) U16.H9(VSSQ10) U16.K1(VSS5) U16.K9(VSS6) U16.M9(VSS7) U16.N1(VSS8) U16.T1(VSS9) U17.A2(VSSQ1) U17.A8(VSSQ2) U17.B2(VSS1) U17.C9(VSSQ3) U17.D2(VSSQ4) U17.D8(VSSQ5) U17.E1(VSS2) U17.E3(VSSQ6) U17.E8(VSSQ7) U17.E9(VSS3) U17.F1(VSSQ8) U17.G8(VSS4) U17.H1(VSSQ9) U17.H9(VSSQ10) U17.K1(VSS5) U17.K9(VSS6) U17.M9(VSS7) U17.N1(VSS8) U17.T1(VSS9) U18.4(PGND) U18.8(GND) U18.11(THERMAL) U19.11(GND) U20.11(GND) U21.11(GND) U22.11(GND) U23.11(GND) U24.2(GND) U24.5(DIR) U25.2(GND) U25.5(DIR) U26.17(EPAD) U27.17(EPAD) U28.2(GND) U28.5(DIR) U29.2(GND) U29.5(DIR) U30.17(EPAD) U31.17(EPAD) U32.2(GND) U32.5(DIR) U33.2(GND) U33.5(DIR) U34.17(EPAD) U35.17(EPAD) U36.2(GND) U36.5(DIR) U37.2(GND) U37.5(DIR) U38.17(EPAD) U39.17(EPAD) U40.41(THERM_PAD) U41.2(GND) U41.5(DIR) U42.2(GND) U43.23(EPAD) U44.23(EPAD) U45.23(EPAD) U46.23(EPAD) U47.23(EPAD) U48.23(EPAD) U49.4(GND) U49.11(PAD) U50.4(GND) U50.11(PAD) U51.4(GND) U51.11(PAD) U52.2(GND) U53.2(GND) U54.2(QPI-1) U54.3(QPI-2) U54.4(QPI-3) U56.6(AGND) U56.10(NC) U56.11(PGND) U56.12(PGND_2) U56.13(PGND_3) U56.14(NC_2) U56.17(EPAD) U56.18(VIA1) U56.19(VIA2) U56.20(VIA3) U56.21(VIA4) U56.22(VIA5) U57.6(AGND) U57.10(NC) U57.11(PGND) U57.12(PGND_2) U57.13(PGND_3) U57.14(NC_2) U57.17(EPAD) U57.18(VIA1) U57.19(VIA2) U57.20(VIA3) U57.21(VIA4) U57.22(VIA5) U58.6(AGND) U58.10(NC) U58.11(PGND) U58.12(PGND_2) U58.13(PGND_3) U58.14(NC_2) U58.17(EPAD) U58.18(VIA1) U58.19(VIA2) U58.20(VIA3) U58.21(VIA4) U58.22(VIA5) U59.6(AGND) U59.10(NC) U59.11(PGND) U59.12(PGND_2) U59.13(PGND_3) U59.14(NC_2) U59.17(EPAD) U59.18(VIA1) U59.19(VIA2) U59.20(VIA3) U59.21(VIA4) U59.22(VIA5) U60.1(GND) U60.17(EPAD) U61.1(GND#1) U61.14(GND#14) U61.29(EPAD) U62.1(GND#1) U62.14(GND#14) U62.29(EPAD) U63.1(A0) U63.2(A1) U63.12(GND) U63.21(A2) U64.4(GND) U65.4(GND) U66.4(GND) U67.1(GND) U67.2(GND_2) U67.5(GND_3) U67.17(GND_4) U67.18(GND_5) U67.33(GND_6) U69.2(GND) U70.2(GND) X1.3(GND) X2.3(GND) X3.3(GND)